# Altium PCB PCB SOM AM625.PcbDoc (part 3 of 6)
Units mm, origin at the board's own origin, x right, y up, seen from the top; angles counter-clockwise.
Board outline 92 x 91 mm, 6 copper layers (Top Layer, Layer 1, Layer 3, Layer 4, Layer 2, Bottom Layer), stack 1.56 mm thick; 479 components, 370 nets, 1722 pads, 744 vias.
Unrouted connection lines stored in the file: 13.
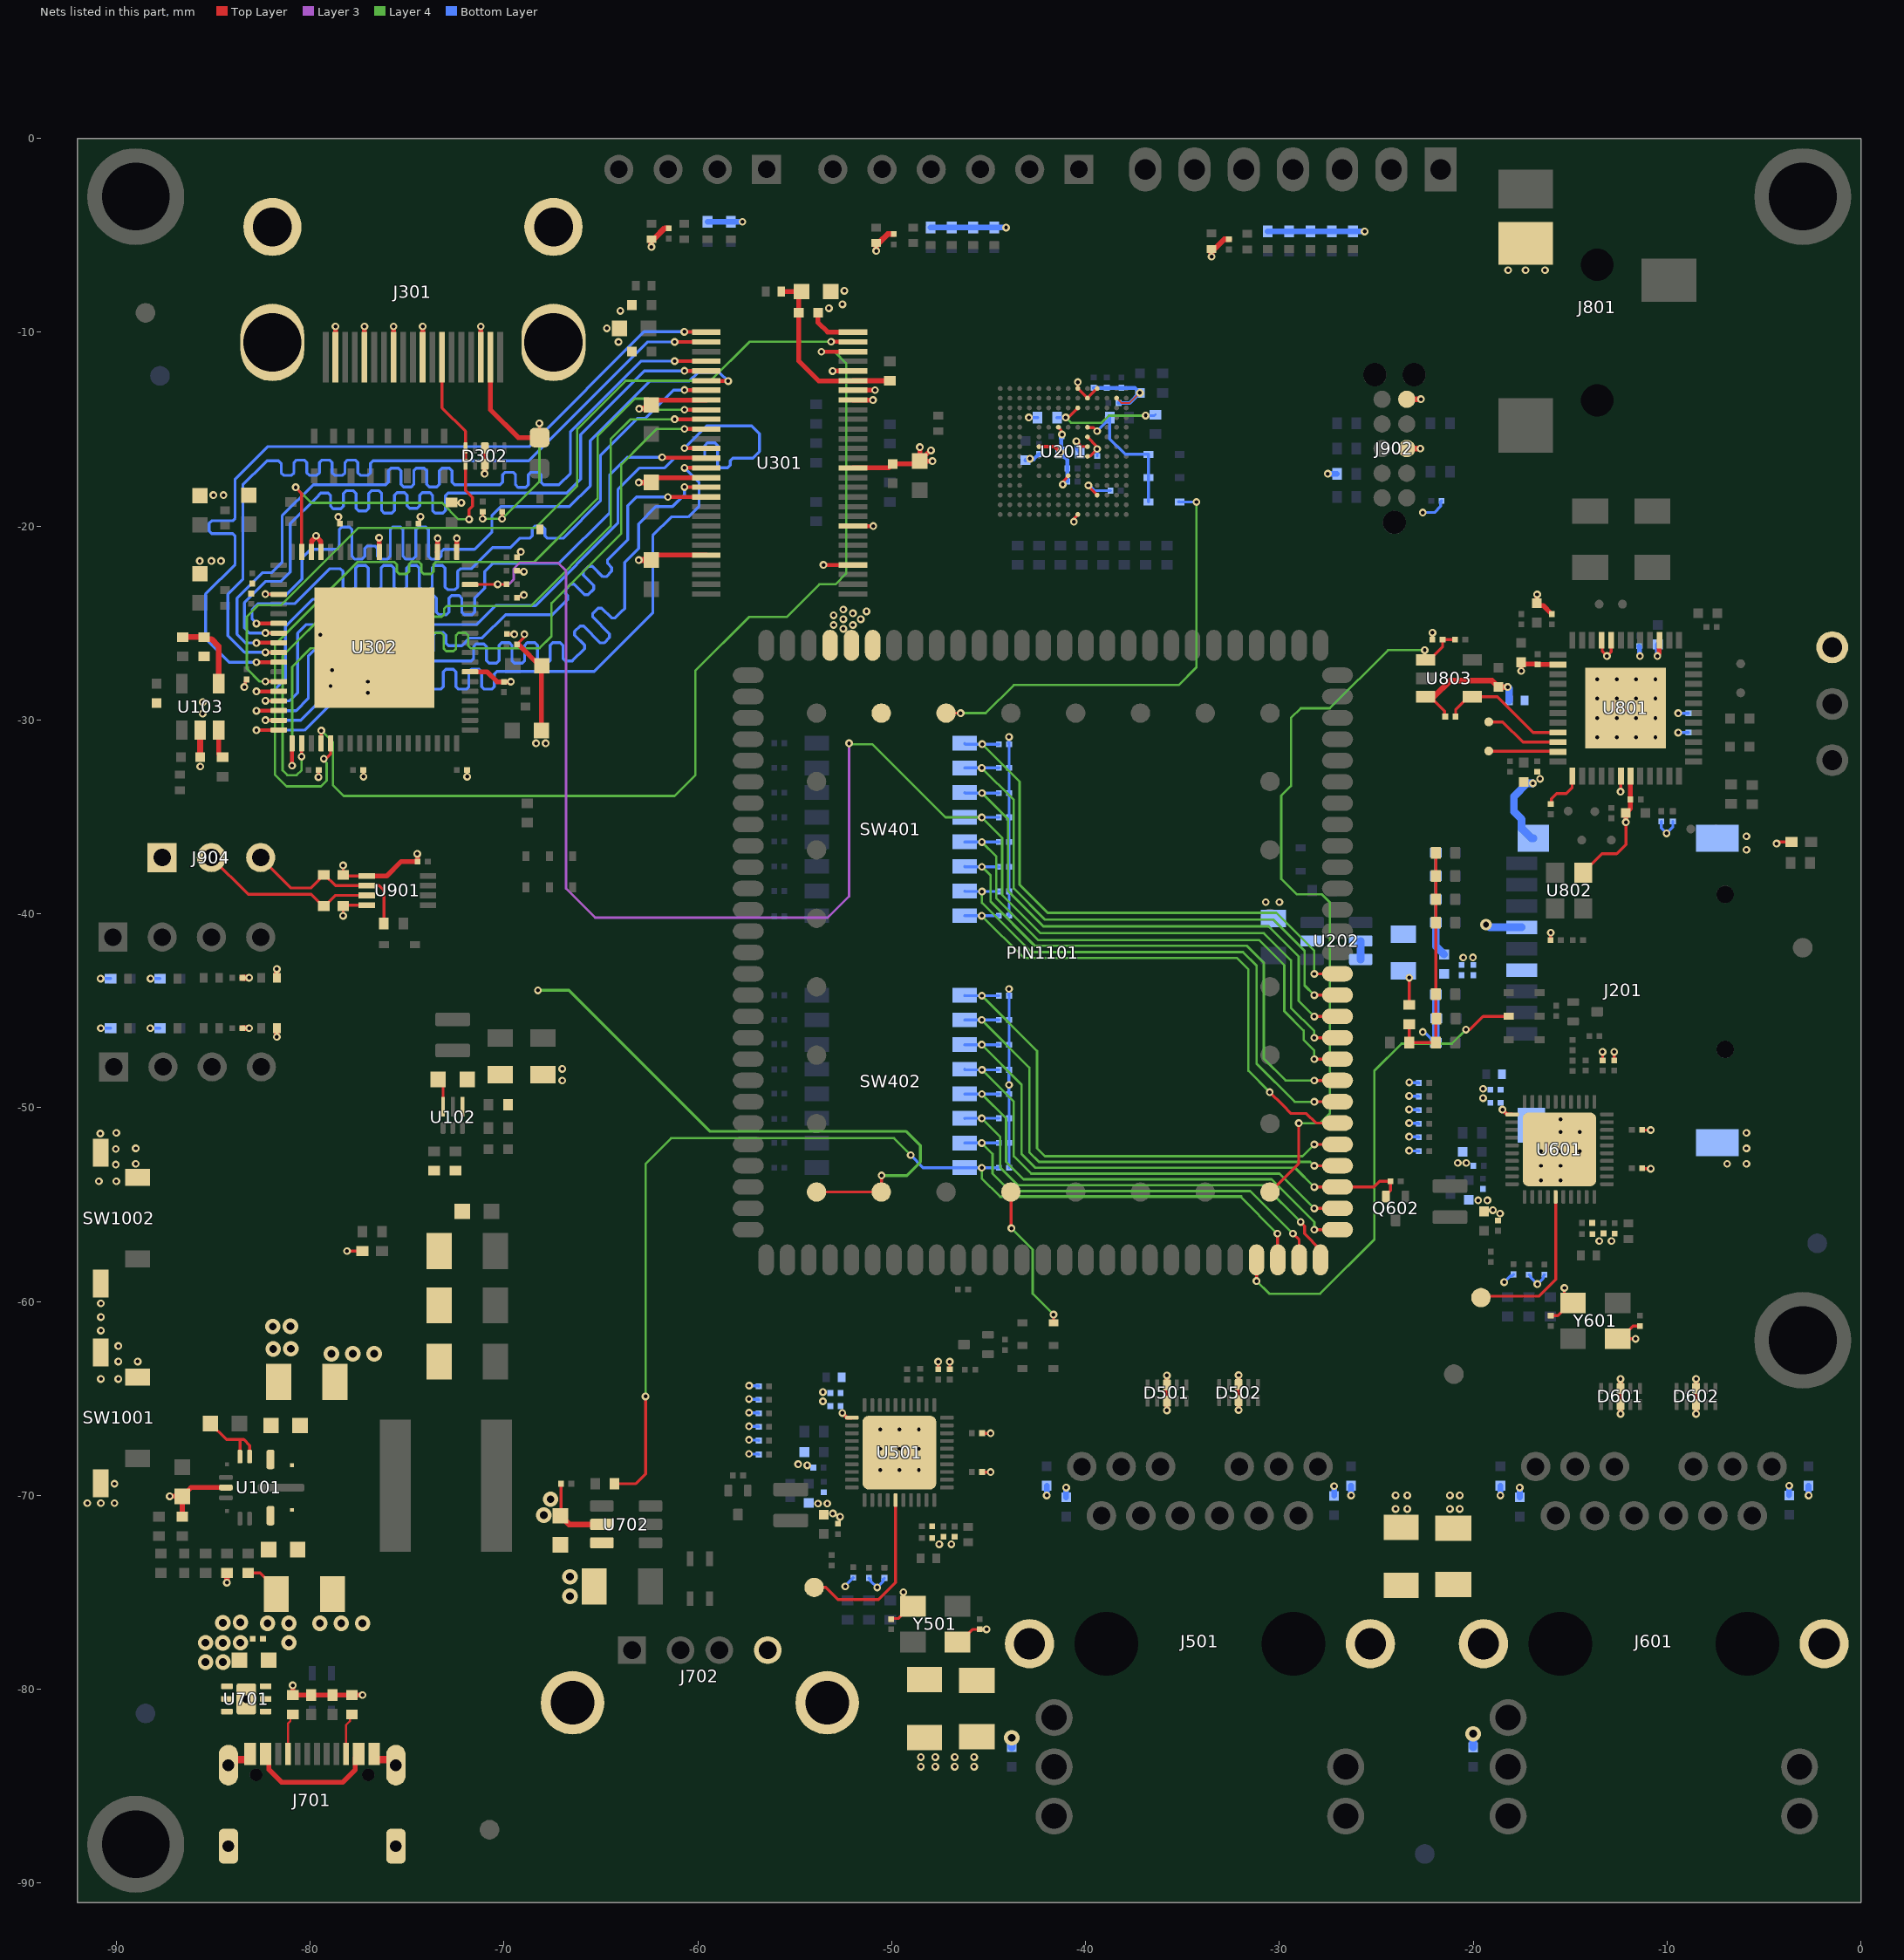
[diagram p7: the nets of this part, all layers, seen from the top]

## Via types
v1: diameter 0.4, hole 0.2, Top Layer to Bottom Layer, tented both sides, 699 vias
v2: diameter 0.8, hole 0.4, Top Layer to Bottom Layer, tented both sides, 41 vias
v3: diameter 0.6, hole 0.3, Top Layer to Bottom Layer, tented both sides, 4 vias

## Nets (pads, with @x,y where several pads share a name; then routed paths per layer and width w, separated by ;. In a path a pad name is that pad's centre, name@x,y a point inside that pad or via, vN(x,y) a via of type N, cw(c..) or ccw(c..) an arc to the next point about the centre after c; other vN are vias at no path point) (continued)
+VDD_3V3_PLL: C309.1 C310.1 FB303.2 R302.2 U301.23 | length 9.8
  Top Layer w0.25: FB303.2@-55.7,-7.9 C309.1@-54.65,-7.9 -54.8,-8.05 C310.1@-54.8,-9 -54.8,-11.475 -53.771,-12.504 U301.23@-52,-12.504 -51.998,-12.502 -50.102,-12.502 R302.2@-50.1,-12.5
+VDD_3V3_SD: C214.2 C215.1 C216.1 C217.1 J201.4 R215.2 U202.5 U202.6 | length 2.4
  Top Layer w0.15: R215.2@-23.3,-44.7 v1(-23.3,-43.3)
  Bottom Layer w0.4: U202.6@-25.8,-42.35 U202.5@-25.8,-41.4
+VDD_SD: R215.1 R216.2 R217.2 R218.2 R219.2 R220.2 R221.2 R222.2 R223.2 | length 12.1
  Top Layer w0.15: R215.1@-23.3,-45.7 R216.2@-23.3,-46.65 R218.2@-21.925,-46.65 R220.2@-21.925,-44.15 R221.2@-21.925,-40.45 R222.2@-21.925,-39.25 R223.2@-21.925,-38.05 R217.2@-21.925,-36.85
+VSYS_5V: C102.1 C103.1 C104.1 C105.1 C112.1 C701.1 C702.1 C703.1 D301.1 J701.B4 J701.B9 PIN1101.109 PIN1101.136 R104.2 R107.2 R108.2 U101.8 U101.12 U102.6 U701.4 U701.5 U701.6 U702.3 | length 40.7
  Top Layer w0.15: R104.2@-83.2,-74 -82.575,-74 -81.75,-74.825 C104.1@-81.75,-75.1 ; C112.1@-73.4,-48.55 -73.145,-48.805 U102.6@-73.145,-49.952 ; PIN1101.109@-53.879,-54.35 PIN1101.136@-50.537,-54.35 -50.525,-54.338 v1(-50.525,-53.5)
  Top Layer w0.25: J701.B9@-82.3,-83.345 -82.125,-83.52 -82.125,-84.15 -81.475,-84.8 -78.325,-84.8 -77.675,-84.15 -77.675,-83.52 J701.B4@-77.5,-83.345
  Layer 4 w0.15: v1(-68.25,-43.95) -66.65,-43.95 -59.375,-51.225 -49.25,-51.225 -48.525,-51.95 -48.525,-52.8 -49.225,-53.5 v1(-50.525,-53.5)
  other v2: -81.1,-77.6 -82.2,-76.6 -81.1,-76.6 -81.908,-62.451 -81,-62.438 -81.931,-61.29 -81.023,-61.277
+VSYS_5V_HDMI: F301.2 J301.18 R307.2 R308.2 | length 14
  Top Layer w0.122: v1(-68.175,-14.7) -68.175,-15.424 F301.2@-68.164,-15.434
  Top Layer w0.15: v1(-71.1,-19.625) R308.2@-71.1,-19.265 ; v1(-70.1,-19.625) R307.2@-70.1,-19.265
  Top Layer w0.25: J301.18@-70.7,-11.285 -70.7,-14 -69.266,-15.434 F301.2@-68.164,-15.434
  Layer 4 w0.122: v1(-71.1,-19.625) v1(-70.1,-19.625) -68.175,-17.7 v1(-68.175,-14.7)
AGND_AUD: C805.2 C806.2 C807.2 C808.2 C809.2 C810.2 C813.2 C814.2 FB801.1 J801.4 TP803.1 U801.15 U801.20 U801.21 U801.26 U801.49 | length 8.7
  Top Layer w0.15: U801.21@-13.381,-25.893 -13.343,-25.932 -13.343,-26.457 v1(-13.1,-26.7) -12.881,-26.481 U801.20@-12.881,-25.893
  Top Layer w0.25: v1(-17.525,-27.475) C809.2@-17.525,-27.025 -17.435,-27.115 -16.7,-27.115 C810.2@-16.675,-27.14 -16.673,-27.142 -15.633,-27.142 U801.26@-15.631,-27.144 ; v1(-16.7,-23.525) -16.712,-23.537 -16.712,-23.962 C805.2@-16.725,-23.975 -16.6,-24.1 -16.385,-24.1 C807.2@-15.95,-24.535 ; v1(-10.5,-26.7) -10.5,-26.659 -10.409,-26.568 -10.409,-25.921 U801.15@-10.381,-25.893
  Bottom Layer w0.15: v1(-9.425,-30.65) C813.2@-8.89,-30.65 ; v1(-9.425,-29.65) C814.2@-8.89,-29.65
  Bottom Layer w0.25: C808.2@-11.45,-26.19 -11.425,-26.215 -11.425,-26.675 v1(-11.4,-26.7) ; v1(-10.5,-26.7) -10.487,-26.688 -10.487,-26.113 C806.2@-10.475,-26.1
  other v1: -13.6,-30.9 -12.6,-30.9 -11.6,-30.9 -10.6,-30.9 -13.6,-29.9 -12.6,-29.9 -11.6,-29.9 -10.6,-29.9 -13.6,-28.9 -12.6,-28.9 -11.6,-28.9 -10.6,-28.9 -13.6,-27.9 -12.6,-27.9 -11.6,-27.9 -10.6,-27.9 -18.2,-6.8 -17.3,-6.8 -16.3,-6.8
AUD_RSTn: R814.2 U801.33 U803.4 | length 6.7
  Top Layer w0.15: R814.2@-20.91,-29.825 -20.9,-29.815 -20.9,-29.45 -20.25,-28.8 U803.4@-20.05,-28.8 -18.75,-28.8 -16.907,-30.643 U801.33@-15.631,-30.643
AUDIO_MSTRCLK: R808.1 U801.37 | length 2.2
  Top Layer w0.15: R808.1@-16,-34.335 -15.958,-34.293 -15.958,-34.058 -15.7,-33.8 -15.191,-33.8 -14.9,-33.509 -14.9,-32.912 U801.37@-14.881,-32.894
BOOTMODE0: PIN1101.96 R417.2 SW401.1 | length 28.8
  Top Layer w0.15: v1(-28.2,-43.1) -28.197,-43.097 -27.003,-43.097 PIN1101.96@-27,-43.094
  Layer 4 w0.122: v1(-45.335,-31.25) -43.4,-33.185 -43.4,-38.5 -41.95,-39.95 -30.15,-39.95 -28.2,-41.9 v1(-28.2,-43.1)
  Bottom Layer w0.15: SW401.1@-46.24,-31.205 -46.195,-31.25 v1(-45.335,-31.25) R417.2@-44.475,-31.25
BOOTMODE1: PIN1101.97 R418.2 SW401.2 | length 28.7
  Top Layer w0.15: v1(-28.199,-44.199) -28.196,-44.196 -27.002,-44.196 PIN1101.97@-27,-44.194
  Layer 4 w0.122: v1(-45.357,-32.475) -43.7,-34.132 -43.7,-38.7 -42.1,-40.3 -30.3,-40.3 -28.7,-41.9 -28.7,-43.697 v1(-28.199,-44.199)
  Bottom Layer w0.15: SW401.2@-46.24,-32.475 v1(-45.357,-32.475) R418.2@-44.475,-32.475
BOOTMODE2: PIN1101.98 R419.2 SW401.3 | length 28.4
  Top Layer w0.15: v1(-28.199,-45.299) -28.196,-45.296 -27.001,-45.296 PIN1101.98@-26.999,-45.293
  Layer 4 w0.122: v1(-45.342,-33.775) -44,-35.117 -44,-38.825 -42.175,-40.65 -30.55,-40.65 -29,-42.2 -29,-44.497 v1(-28.199,-45.299)
  Bottom Layer w0.15: SW401.3@-46.24,-33.745 -46.21,-33.775 v1(-45.342,-33.775) R419.2@-44.475,-33.775
BOOTMODE3: PIN1101.99 R311.1 R420.2 SW401.4 U302.52 | length 83
  Top Layer w0.122: U302.52@-71.754,-23.019 -71.745,-23.01 -69.875,-23.01 R311.1@-69.865,-23
  Top Layer w0.15: v1(-28.199,-46.399) -28.196,-46.396 -27.001,-46.396 PIN1101.99@-26.999,-46.393
  Layer 3 w0.122: v1(-70.325,-23) -69.75,-23 -69.5,-22.75 -69.5,-22.2 -69.2,-21.9 -67.2,-21.9 -66.8,-22.3 -66.8,-38.7 -65.3,-40.2 -53.3,-40.2 -52.2,-39.1 v1(-52.2,-31.2)
  Layer 4 w0.122: v1@-52.2,-31.25 -51,-31.25 -47.225,-35.025 v1(-45.352,-35.025) -44.3,-36.077 -44.3,-39.025 -42.325,-41 -30.8,-41 -29.4,-42.4 -29.4,-44.85 -28.199,-46.051 v1(-28.199,-46.399)
  Bottom Layer w0.15: SW401.4@-46.24,-35.015 -46.23,-35.025 v1(-45.352,-35.025) R420.2@-44.475,-35.025
BOOTMODE4: PIN1101.100 R421.2 SW401.5 | length 28
  Top Layer w0.15: v1(-28.199,-47.499) -28.196,-47.496 -27.001,-47.496 PIN1101.100@-26.999,-47.493
  Layer 4 w0.122: v1(-45.35,-36.3) -44.6,-37.05 -44.6,-39.2 -42.45,-41.35 -31.05,-41.35 -29.75,-42.65 -29.75,-45.025 -28.75,-46.025 -28.75,-46.5 -28.199,-47.051 v1(-28.199,-47.499)
  Bottom Layer w0.15: SW401.5@-46.24,-36.285 -46.225,-36.3 v1(-45.35,-36.3) R421.2@-44.475,-36.3
BOOTMODE5: PIN1101.101 R422.2 SW401.6 | length 28.4
  Top Layer w0.15: v1(-28.199,-48.599) -28.196,-48.596 -27.001,-48.596 PIN1101.101@-26.999,-48.593
  Layer 4 w0.122: v1(-45.347,-37.575) -44.9,-38.022 -44.9,-39.375 -42.625,-41.65 -31.675,-41.65 -30.8,-42.525 -30.8,-47.475 -29.676,-48.599 v1(-28.199,-48.599)
  Bottom Layer w0.15: SW401.6@-46.24,-37.555 -46.22,-37.575 v1(-45.347,-37.575) R422.2@-44.475,-37.575
BOOTMODE6: PIN1101.102 R423.2 SW401.7 | length 27.9
  Top Layer w0.15: v1(-28.197,-49.697) -28.194,-49.694 PIN1101.102@-27,-49.694 PIN1101.102@-26.997,-49.691
  Layer 4 w0.122: v1(-45.345,-38.85) -45.345,-39.43 -42.8,-41.975 -31.875,-41.975 -31.175,-42.675 -31.175,-47.725 -29.203,-49.697 v1(-28.197,-49.697)
  Bottom Layer w0.15: SW401.7@-46.24,-38.825 -46.215,-38.85 v1(-45.345,-38.85) R423.2@-44.475,-38.85
BOOTMODE7: PIN1101.103 R424.2 SW401.8 | length 27.6
  Top Layer w0.15: v1(-30.5,-49.2) -29.829,-49.871 -29.4,-50.3 -28.6,-50.3 -28.106,-50.794 PIN1101.103@-27,-50.794
  Layer 4 w0.122: v1(-45.355,-40.1) -43.18,-42.275 -32.2,-42.275 -31.6,-42.875 -31.6,-48.1 v1(-30.5,-49.2)
  Bottom Layer w0.15: SW401.8@-46.24,-40.095 -46.235,-40.1 v1(-45.355,-40.1) R424.2@-44.475,-40.1
BOOTMODE8: PIN1101.104 R425.2 SW402.1 | length 26.7
  Top Layer w0.15: v1(-28.197,-51.897) -28.194,-51.894 PIN1101.104@-27,-51.894 PIN1101.104@-26.997,-51.891
  Layer 4 w0.122: v1(-45.347,-44.225) -42.5,-47.072 -42.5,-52.1 -42.1,-52.5 -28.8,-52.5 v1(-28.197,-51.897)
  Bottom Layer w0.15: SW402.1@-46.24,-44.205 -46.22,-44.225 v1(-45.347,-44.225) R425.2@-44.475,-44.225
BOOTMODE9: PIN1101.105 R426.2 SW402.2 | length 25.8
  Top Layer w0.15: v1(-28.2,-53) -28.197,-52.997 -27.003,-52.997 PIN1101.105@-27,-52.994
  Layer 4 w0.122: v1(-45.357,-45.475) -42.9,-47.932 -42.9,-52.3 -42.4,-52.8 -28.41,-52.8 -28.21,-53 v1(-28.2,-53)
  Bottom Layer w0.15: SW402.2@-46.24,-45.475 v1(-45.357,-45.475) R426.2@-44.475,-45.475
BOOTMODE10: PIN1101.106 Q602.2 R427.2 R620.1 SW402.3 | length 29
  Top Layer w0.15: v1(-28.197,-54.097) -28.194,-54.094 PIN1101.106@-27,-54.094 -25.119,-54.094 -24.825,-53.8 R620.1@-24.265,-53.8 -24.265,-54.267 -24.353,-54.355 -24.375,-54.355 -24.5,-54.48 Q602.2@-24.5,-54.58
  Layer 4 w0.122: v1(-45.355,-46.75) -43.3,-48.805 -43.3,-52.4 -42.6,-53.1 -29.194,-53.1 v1(-28.197,-54.097)
  Bottom Layer w0.15: SW402.3@-46.24,-46.745 -46.235,-46.75 v1(-45.355,-46.75) R427.2@-44.475,-46.75
BOOTMODE11: PIN1101.107 R428.2 SW402.4 | length 24.7
  Top Layer w0.15: v1(-28.197,-55.197) -28.194,-55.194 PIN1101.107@-27,-55.194 PIN1101.107@-26.997,-55.191
  Layer 4 w0.122: v1(-45.34,-48.05) -43.7,-49.69 -43.7,-52.5 -42.8,-53.4 -29.994,-53.4 v1(-28.197,-55.197)
  Bottom Layer w0.15: SW402.4@-46.24,-48.015 -46.205,-48.05 v1(-45.34,-48.05) R428.2@-44.475,-48.05
BOOTMODE12: PIN1101.108 R429.2 SW402.5 | length 24.6
  Top Layer w0.15: v1(-28.197,-56.297) -28.194,-56.294 PIN1101.108@-27,-56.294 PIN1101.108@-26.997,-56.291
  Layer 4 w0.122: v1(-45.35,-49.3) -44.1,-50.55 -44.1,-52.8 -43.2,-53.7 -30.4,-53.7 -28.197,-55.903 v1(-28.197,-56.297)
  Bottom Layer w0.15: SW402.5@-46.24,-49.285 -46.225,-49.3 v1(-45.35,-49.3) R429.2@-44.475,-49.3
BOOTMODE13: PIN1101.1 R430.2 SW402.6 | length 23.7
  Top Layer w0.15: v1(-28.9,-55.9) -28.9,-55.913 -28.7,-56.113 -28.7,-56.5 -27.879,-57.321 PIN1101.1@-27.879,-57.85
  Layer 4 w0.122: v1(-45.355,-50.55) -44.4,-51.505 -44.4,-53.1 -43.5,-54 -30.8,-54 v1(-28.9,-55.9)
  Bottom Layer w0.15: SW402.6@-46.24,-50.555 -46.235,-50.55 v1(-45.355,-50.55) R430.2@-44.475,-50.55
BOOTMODE14: PIN1101.2 R431.2 SW402.7 | length 21.8
  Top Layer w0.15: v1(-29.3,-56.5) -28.979,-56.821 PIN1101.2@-28.979,-57.85
  Layer 4 w0.122: v1(-45.357,-51.825) -44.8,-52.382 -44.8,-53.4 -43.9,-54.3 -31.5,-54.3 v1(-29.3,-56.5)
  Bottom Layer w0.15: SW402.7@-46.24,-51.825 v1(-45.357,-51.825) R431.2@-44.475,-51.825
BOOTMODE15: PIN1101.3 R432.2 R703.1 SW402.8 | length 67.6
  Top Layer w0.15: R703.1@-64.3,-69.4 -63.2,-69.4 -62.7,-68.9 v1(-62.7,-64.9) ; v1(-30.1,-56.5) -30.089,-56.511 -30.089,-57.839 PIN1101.3@-30.079,-57.85
  Layer 4 w0.122: v1(-62.7,-64.9) -62.7,-52.9 -61.375,-51.575 -49.885,-51.575 -49.025,-52.435 v1(-49.025,-52.45) ; v1(-45.355,-53.1) -45.355,-53.645 -44.4,-54.6 -32,-54.6 v1(-30.1,-56.5) ; -44.013,-54.572 -31.962,-54.572
  Bottom Layer w0.15: v1(-49.025,-52.45) -48.38,-53.095 SW402.8@-46.24,-53.095 -46.235,-53.1 v1(-45.355,-53.1) R432.2@-44.475,-53.1
CBOOT: C110.1 U101.13 U101.14 | length 3.9
  Top Layer w0.15: C110.1@-85.15,-66.3 -84.325,-67.125 -83.625,-67.125 ; U101.14@-83.625,-68 -83.625,-67.125 ; U101.13@-83.125,-68 -83.125,-67.425 -83.425,-67.125 -83.625,-67.125
CC1: J701.A5 R702.2 | length 2.1
  Top Layer w0.107: J701.A5@-81.15,-83.345 -81.15,-81.775 -81.023,-81.648 -81.023,-81.423 R702.2@-80.9,-81.3
CC2: J701.B5 R701.2 | length 2.2
  Top Layer w0.107: J701.B5@-78.15,-83.345 -78.15,-81.85 -77.948,-81.648 -77.948,-81.398 R701.2@-77.85,-81.3
CLKOUT1: TP501.0 U501.35 | length 9.1
  Top Layer w0.15: TP501.0@-54,-74.75 -53.4,-74.75 -52.775,-75.375 -50.675,-75.375 -49.8,-74.5 U501.35@-49.8,-70.25
CLKOUT2: TP601.0 U601.35 | length 8.7
  Top Layer w0.15: TP601.0@-19.8,-59.9 -19.637,-59.737 -19.294,-59.737 -19.287,-59.73 -16.62,-59.73 -15.745,-58.855 U601.35@-15.745,-54.605
DATA_STROBE: R213.2 U201.H5 | length 1.3
  Top Layer w0.15: v1(-40.475,-15.625) -40.2,-15.9 U201.H5@-39.9,-15.9
  Bottom Layer w0.15: v1(-40.475,-15.625) -40.475,-16.025 R213.2@-40.3,-16.2
DEBUG_RX: D907.2 J904.3 R907.1 U901.2 | length 9.3
  Top Layer w0.15: J904.3@-82.56,-37.1 -80.989,-38.671 -79.971,-38.671 -79.525,-38.225 -79.525,-38.175 -79.35,-38 -79.25,-38 -78.7,-38.55 U901.2@-77.076,-38.55 -76.45,-38.55 -76.2,-38.8 R907.1@-76.2,-40.5
DEBUG_TX: D906.2 J904.2 U901.3 | length 9.3
  Top Layer w0.15: J904.2@-85.1,-37.1 -83.2,-39 -79.95,-39 -79.35,-39.6 D906.2@-79.3,-39.6 -79.25,-39.6 -78.7,-39.05 U901.3@-77.076,-39.05
DVDD10_1: C503.1 C504.1 FB503.2 U501.21 | length 0.6
  Top Layer w0.2: v1(-52.55,-65.75) -52.3,-66 U501.21@-52.05,-66
DVDD10_2: C603.1 C604.1 FB603.2 U601.21 | length 0.6
  Top Layer w0.2: v1(-18.495,-50.105) -18.245,-50.355 U601.21@-17.995,-50.355
eMMC_CLK: R211.2 R212.2 U201.M6 | length 6.2
  Top Layer w0.15: v1(-41.025,-14.4) -40.977,-14.352 -40.852,-14.352 U201.M6@-40.4,-13.9
  Layer 4 w0.122: v1(-41.025,-14.4) -40.756,-14.669 -39.169,-14.669 -38.8,-14.3 v1(-36.9,-14.3)
  Bottom Layer w0.122: v1(-36.9,-14.3) -36.45,-14.3 R211.2@-36.4,-14.25
  Bottom Layer w0.15: R212.2@-41.475,-14.4 v1(-41.025,-14.4)
eMMC_RST: D201.1 D202.1 D203.1 R210.1 U201.K5 | length 7.4
  Top Layer w0.15: U201.K5@-39.9,-14.9 -39.881,-14.919 -39.581,-14.919 v1(-39.4,-15.1)
  Bottom Layer w0.15: v1(-39.4,-15.1) R210.1@-38.75,-14.45 ; R210.1@-38.75,-14.4 R210.1@-38.75,-14.45 ; D202.1@-36.75,-18.75 D201.1@-36.75,-17.5 D203.1@-36.75,-16.3 -37.95,-16.3 -38.75,-15.5 R210.1@-38.75,-14.45
EMMC_RSTn: D202.2 PIN1101.118 | length 23.3
  Top Layer w0.15: PIN1101.118@-47.195,-29.647 v1@-46.445,-29.647
  Layer 4 w0.122: v1(-46.444,-29.648) -45.148,-29.648 -43.7,-28.2 -35.2,-28.2 -34.28,-27.28 v1(-34.28,-18.756)
  Bottom Layer w0.15: D202.2@-35.2,-18.75 D202.2@-35.15,-18.75 -35.147,-18.753 -34.283,-18.753 v1(-34.28,-18.756)
EN_1V2: R111.1 U103.3 | length 1.5
  Top Layer w0.25: U103.3@-84.725,-30.525 -84.725,-31.75 -84.55,-31.925 R111.1@-84.525,-31.925
FB_1V2: R112.1 R113.2 U103.4 | length 4
  Top Layer w0.3: R112.1@-86.575,-25.725 R113.2@-85.475,-25.725 -85.375,-25.825 -85.1,-25.825 -84.725,-26.2 U103.4@-84.725,-28.125
GBE1_RSTn: D503.2 PIN1101.134 | length 7.7
  Top Layer w0.15: PIN1101.134@-43.853,-54.35 -43.839,-54.364 -43.839,-56.211 v1(-43.825,-56.225) ; D503.2@-41.65,-61.1 v1(-41.65,-60.675)
  Layer 4 w0.122: v1(-43.825,-56.225) -42.725,-57.325 -42.725,-59.6 v1(-41.65,-60.675)
GBE2_RSTn: D603.2 PIN1101.4 | length 25.4
  Top Layer w0.15: v1(-31.179,-58.944) PIN1101.4@-31.179,-57.85 ; v1(-20.375,-45.975) -20.175,-45.975 -19.487,-45.288 -18.188,-45.288 D603.2@-18.175,-45.275
  Layer 4 w0.122: v1(-31.179,-58.944) -30.523,-59.6 -27.9,-59.6 -25.1,-56.8 -25.1,-48.1 -23.7,-46.7 -21.1,-46.7 v1(-20.375,-45.975)
GND: C101.2 C102.2 C103.2 C104.2 C105.2 C106.1 C107.1 C108.1 C109.1 C112.2 C114.1 C115.1 C116.2 C117.2 C201.2 C202.2 C203.2 C204.2 C205.2 C206.2 C207.2 C208.2 C209.2 C210.2 C211.2 C212.2 C213.2 C214.1 C215.2 C216.2 C217.2 C301.2 C302.2 C303.2 C304.2 C305.2 C306.2 C307.2 C308.2 C309.2 C310.2 C311.2 C312.2 C313.2 C314.2 C315.2 C316.2 C317.2 C318.2 C319.2 C320.2 C321.2 C322.2 C323.2 C324.2 C325.2 C326.2 C327.2 C501.2 C502.2 C503.2 C504.2 C505.2 C506.2 C507.2 C508.2 C509.2 C510.2 C511.2 C512.2 C513.1 C514.1 C515.2 C516.2 C517.2 C518.2 C519.2 C520.2 C521.2 C522.2 C523.1 C601.2 C602.2 C603.2 C604.2 C605.2 C606.2 C607.2 C608.2 C609.2 C610.2 C611.2 C612.2 C613.1 C614.1 C615.2 C616.2 C617.2 C618.2 C619.2 C620.2 C621.2 C622.2 C623.1 C701.2 C702.2 C703.2 C704.2 C705.2 C801.2 C802.2 C803.2 C804.2 C818.1 C819.2 C901.2 C902.2 C903.2 C904.2 C905.2 C906.2 C907.2 D206.1 D207.1 D208.1 D209.1 D210.1 D211.1 D212.1 D302.3 D302.8 D501.3 D501.8 D502.3 D502.8 D601.3 D601.8 D602.3 D602.8 D701.1 D702.1 D901.1 D902.1 D903.1 D904.1 D906.1 D907.1 D908.1 D909.1 D910.1 D911.1 D912.1 D913.1 D914.1 D915.1 D916.1 D917.1 D918.1 FB801.2 FB904.2 FB908.2 FB912.2 FB924.2 FB925.2 J201.6 J201.10 J201.11 J201.12 J201.13 J301.2 J301.5 J301.8 J301.11 J301.17 J301.20 J301.21 J301.22 J301.23 J701.B1 J701.B12 J701.S1 J701.S2 J701.S3 J701.S4 J702.4 J702.5 J702.6 J902.3 J902.5 J904.1 LED1001.2 LED1002.2 PIN1101.58 PIN1101.59 PIN1101.60 PIN1101.117 R105.1 R106.1 R110.2 R113.1 R212.1 R213.1 R310.1 R312.2 R313.1 R417.1 R418.1 R419.1 R420.1 R421.1 R422.1 R423.1 R424.1 R425.1 R426.1 R427.1 R428.1 R429.1 R430.1 R431.1 R432.1 R505.2 R509.1 R510.1 R512.1 R514.1 R516.1 R518.1 R522.1 R526.1 R528.1 R530.1 R605.2 R609.1 R610.1 R612.1 R614.1 R616.1 R618.1 R622.1 R626.1 R628.1 R630.1 R701.1 R702.1 R812.1 R813.1 R814.1 R815.1 R906.1 SW1001.1 SW1001.3 SW1001.4 SW1002.1 SW1002.3 SW1002.4 U101.3 U101.9 U101.11 U102.4 U103.2 U201.A6 U201.C4 U201.E7 U201.G5 U201.H10 U201.J5 U201.K8 U201.N2 U201.N5 U201.P4 U201.P6 U202.2 U301.4 U301.8 U301.14 U301.21 U301.22 U301.24 U301.28 U301.36 U301.44 U301.52 U302.43 U302.55 U302.57 U302.63 U302.69 U302.70 U302.73 U501.41 U601.41 U701.1 U701.2 U701.3 U701.7 U702.2 U801.42 U801.43 U802.2 U803.3 U901.1 U901.4 Y501.2 Y501.4 Y601.2 Y601.4 | length 199.7
  Top Layer w0.08: U201.N2@-38.4,-13.4 -38.155,-13.645 -37.72,-13.645 v1(-37.2,-13.125)
  Top Layer w0.15: v1(-83.4,-28.3) -83.4,-28.232 -83.35,-28.182 -83.35,-27.99 C316.2@-83.275,-27.915 ; v1(-79.575,-32.95) -79.567,-32.942 -79.567,-32.583 C324.2@-79.56,-32.575 ; v1(-78.55,-19.523) -78.508,-19.565 -78.508,-19.832 C321.2@-78.465,-19.875 ; v1(-78.3,-40.1) D906.1@-78.3,-39.6 -78.25,-39.55 U901.4@-77.076,-39.55 ; v1(-78.3,-37.5) D907.1@-78.3,-38 -78.25,-38.05 U901.1@-77.076,-38.05 ; v1(-78.1,-57.4) LED1002.2@-77.308,-57.4 ; C315.2@-77.26,-32.575 -77.255,-32.58 -77.255,-32.92 v1(-77.25,-32.925) ; C320.2@-74.41,-19.875 -74.362,-19.827 -74.362,-19.561 v1(-74.314,-19.514) ; R312.2@-72.714,-18.784 -72.699,-18.8 v1(-72.2,-18.8) ; R313.1@-71.91,-32.575 -71.905,-32.58 -71.905,-32.92 v1(-71.9,-32.925) ; C313.2@-69.85,-25.565 -69.845,-25.57 -69.48,-25.57 v1(-69.475,-25.575) ; C326.2@-69.335,-26.1 -69.26,-26.025 -68.998,-25.763 -68.998,-25.623 v1(-68.95,-25.575) ; C327.2@-69.335,-23.7 -69.26,-23.625 -69.075,-23.625 -69,-23.55 v1(-68.975,-23.55) ; C312.2@-69.335,-22.3 -69.31,-22.325 -69,-22.325 v1(-68.975,-22.35) v1@-68.975,-22.3 ; C703.2@-67.1,-71.05 -67.065,-71.015 C705.2@-67.065,-69.4 ; C521.2@-50.025,-76.385 -49.99,-76.35 -49.652,-76.35 -49.486,-76.183 -49.027,-75.725 Y501.4@-48.9,-75.725 ; v1(-49.4,-75) -49.4,-75.262 -48.942,-75.72 Y501.4@-48.905,-75.72 ; C513.1@-47.605,-63.495 v1(-47.605,-63.105) ; C508.2@-47.005,-63.495 v1(-47.005,-63.105) ; Y501.2@-46.6,-77.575 -46.473,-77.575 -45.813,-76.915 C522.2@-45.45,-76.915 ; C522.2@-45.455,-76.91 v1(-45.11,-76.91) ; C510.2@-45.335,-68.8 v1(-44.9,-68.8) ; C511.2@-45.335,-66.8 v1(-44.9,-66.8) ; U201.K8@-41.4,-14.9 -41.4,-14.927 -41.262,-15.065 -41.262,-15.223 v1(-41.215,-15.271) ; v1(-41.175,-17.85) -41.127,-17.802 -41.127,-17.654 -40.9,-17.427 U201.E7@-40.9,-17.4 ; v1(-40.6,-19.775) -40.552,-19.727 -40.552,-19.579 -40.4,-19.427 U201.A6@-40.4,-19.4 ; v1(-40.4,-12.575) U201.P6@-40.4,-12.9 U201.N5@-39.9,-13.4 U201.P4@-39.4,-12.9 ; U201.G5@-39.9,-16.4 -39.881,-16.381 -39.756,-16.381 v1(-39.4,-16.025) -39.4,-15.9 U201.J5@-39.9,-15.4 ; v1(-39.852,-17.902) -39.852,-17.925 -39.4,-18.377 U201.C4@-39.4,-18.4 ; R815.1@-22.105,-25.85 -22.103,-25.847 -22.103,-25.503 v1(-22.1,-25.5) ; U803.3@-22.025,-28.8 -22.025,-29.025 -21.997,-29.025 -21.477,-29.544 -21.477,-29.788 R814.1@-21.44,-29.825 ; C818.1@-16.015,-41.35 -16.007,-41.343 -16.007,-40.983 v1(-16,-40.975) ; C621.2@-16,-60.735 -15.637,-60.735 -14.977,-60.075 Y601.4@-14.85,-60.075 -15.3,-59.625 v1(-15.3,-59.3) ; U802.2@-14.325,-37.875 -14.325,-37.824 -13.93,-37.429 -13.879,-37.429 -13.35,-36.9 -12.6,-36.9 -12.125,-36.425 v1(-12.125,-35.275) ; C613.1@-13.325,-47.56 v1(-13.325,-47.125) ; C608.2@-12.725,-47.56 v1(-12.725,-47.125) ; Y601.2@-12.55,-61.925 Y601.2@-12.413,-61.925 ; v1(-12.4,-33.7) -12.391,-33.691 -12.391,-32.903 U801.42@-12.381,-32.894 ; v1(-11.625,-61.925) Y601.2@-12.413,-61.925 ; C622.2@-11.395,-61.27 -11.758,-61.27 Y601.2@-12.413,-61.925 ; C610.2@-11.285,-53.125 -11.27,-53.14 -10.86,-53.14 v1(-10.845,-53.155) ; C611.2@-11.28,-51.155 v1(-10.845,-51.155) ; v1@-4.35,-36.3 LED1001.2@-3.583,-36.3